# Altium PCB Rpi Head.pcbdoc (continued)
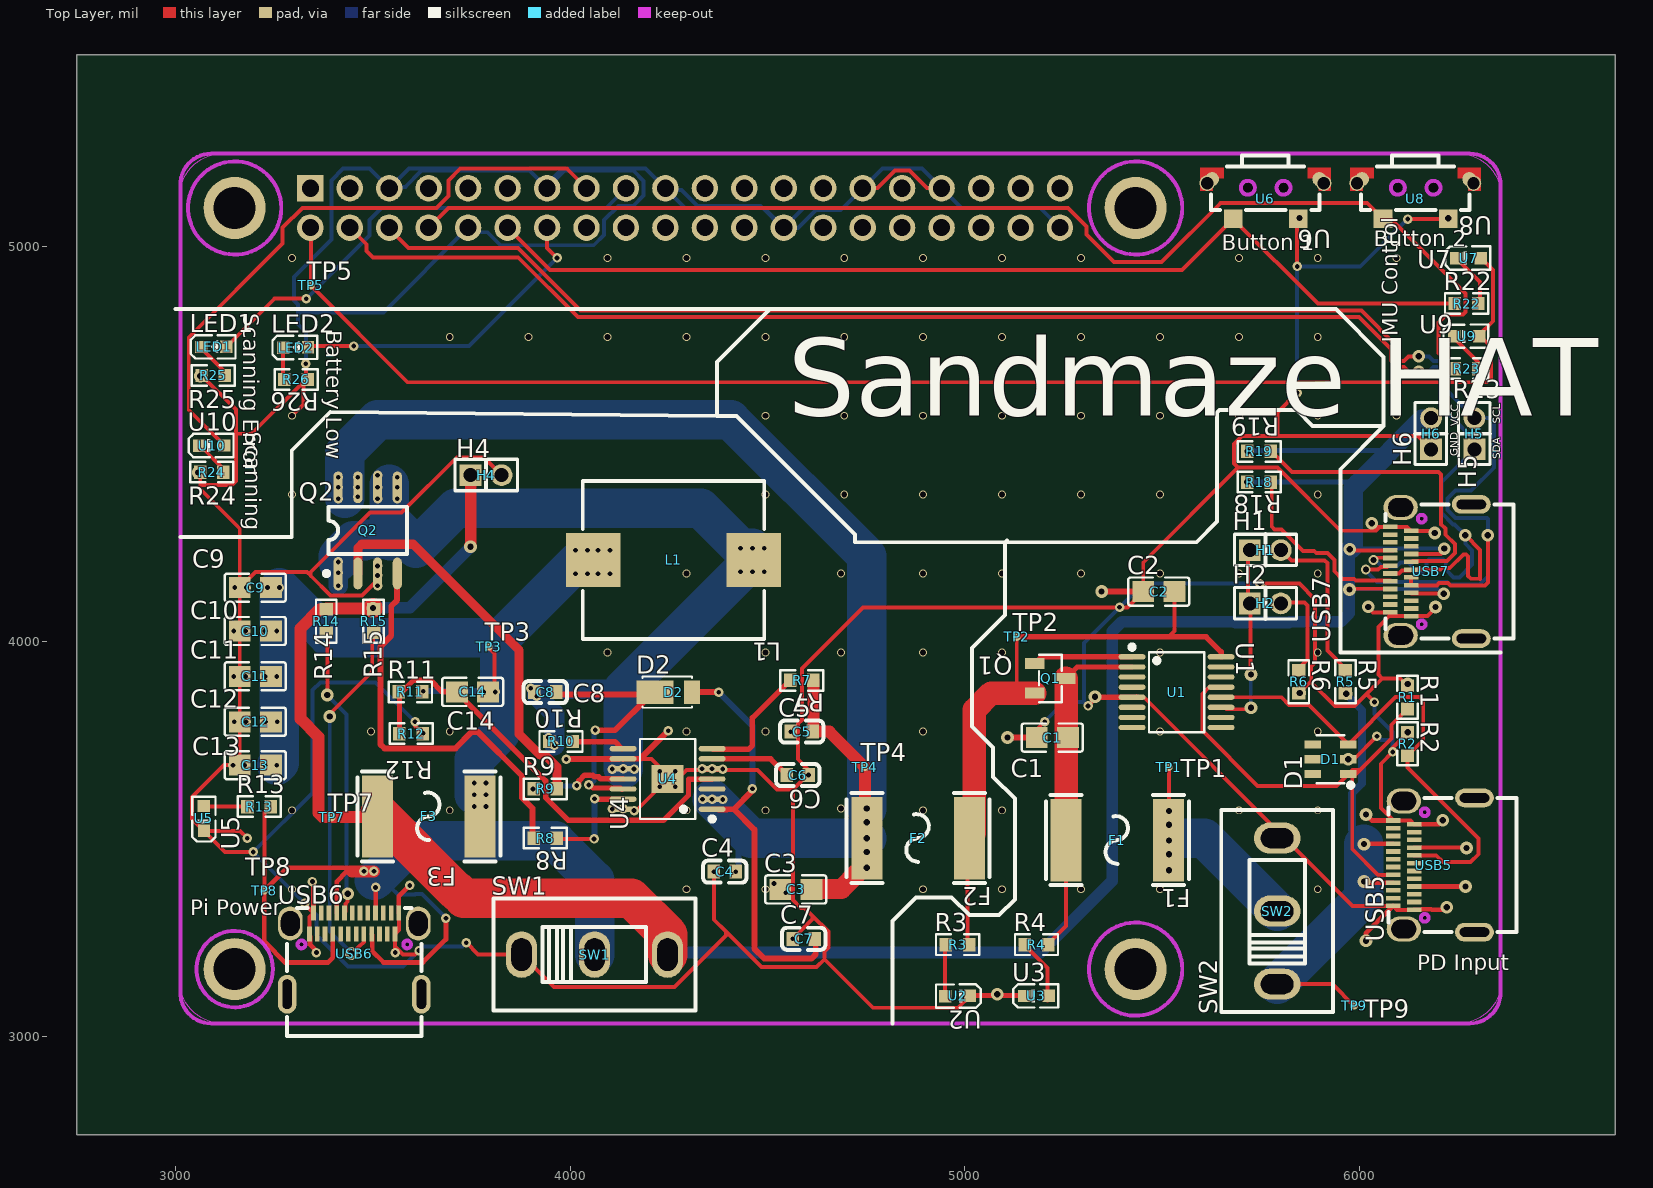
[diagram p0: Top Layer view]
## Footprints (in the part's own frame and the unit in brackets; to place one, negate y for a bottom-side part, rotate by r counter-clockwise, add the part's x,y. Pads: shape width x height; smd on the part's side, far side on the other; paste and mask are expansions set on the pad) (continued)
  rect 0.3x0.95 smd: A1(-2.63,2.613) A2(-2.13,2.613) A3(-1.63,2.613) A4(-1.13,2.613) A5(-0.63,2.613) A6(-0.13,2.613) A7(0.37,2.613) A8(0.87,2.613) A9(1.37,2.613) A10(1.87,2.613) A11(2.37,2.613) A12(2.87,2.613) B1(2.62,1.262) B2(2.12,1.262) B3(1.62,1.262) B4(1.12,1.262) B5(0.62,1.262) B6(0.12,1.262) B7(-0.38,1.262) B8(-0.88,1.262) B9(-1.38,1.262) B10(-1.88,1.262) B11(-2.38,1.262) B12(-2.88,1.262)
  Board Outline Layer circle w0.005: c3.4,0.587 r0.25
  Board Outline Layer circle w0.005: c-3.4,0.587 r0.25
  Board Outline Layer circle w0.254: c3.4,0.587 r0.25
  Board Outline Layer circle w0.254: c-3.4,0.587 r0.25
  Multi-Layer board cut-out: 3.65,0.587 3.615,0.71 3.524,0.8 3.4,0.833 3.276,0.8 3.185,0.71 3.15,0.587 3.15,0.587 3.185,0.464 3.276,0.375 3.4,0.342 3.524,0.375 3.615,0.464 3.65,0.587
  Multi-Layer board cut-out: -3.15,0.587 -3.185,0.71 -3.276,0.8 -3.4,0.833 -3.523,0.8 -3.615,0.71 -3.65,0.587 -3.65,0.587 -3.615,0.464 -3.523,0.375 -3.4,0.342 -3.276,0.375 -3.185,0.464 -3.15,0.587
  silkscreen extent -4.32,-5.31 4.32,2.92

## Free pads (board coordinates)
  round 157.48 hole 106.3 unplated: 1(3149.7,3169.78) 1(3149.7,5098.92) 1(5433.16,3169.78) 1(5433.17,5098.92)

## Via types
v1: diameter 24, hole 12, Top Layer to Bottom Layer, 127 vias
v2: diameter 20, hole 15, Top Layer to Bottom Layer, 80 vias
v3: diameter 32, hole 16, Top Layer to Bottom Layer, 53 vias
v4: diameter 25, hole 15, Top Layer to Bottom Layer, 2 vias

## Nets (pads, with @x,y where several pads share a name; then routed paths per layer and width w, separated by ;. In a path a pad name is that pad's centre, name@x,y a point inside that pad or via, vN(x,y) a via of type N, cw(c..) or ccw(c..) an arc to the next point about the centre after c; other vN are vias at no path point)
$1N1077: C1.2 F1.2 Q1.3 R4.2 U1.2 | length 802.4
  Top Layer w10: R4.2@5210.76,3233.42 5256.89,3279.56 F1.2@5256.89,3426.6
  Top Layer w13.5: Q1.3 5285.25,3935.69 U1.2
  Top Layer w60: Q1.3 5256.99,3906 F1.2
$1N1475: Q1.1 U1.1 | length 253.7
  Top Layer w13.5: Q1.1 5194.7,3961.28 U1.1
$1N1481: C2.2 F2.1 Q1.2 R3.2 TP2.1 U1.16 | length 1527.9
  Top Layer w10: F2.1@5007.49,3443.18 5007.49,3229.1 R3.2@5008.93,3227.66 ; TP2.1 5131.9,3871.11 5133.7,3869.31 ; 5516.9,4011.71 5531.9,4026.71 5531.9,4126.08 C2.2
  Top Layer w13.8: TP2.1 5516.9,4011.71 5611.9,4011.71 5649.73,3973.89 U1.16
  Top Layer w60: F2.1 5024.48,3514.37 5024.48,3826.89 5066.9,3869.31 5133.7,3869.31 Q1.2
$1N1809: R3.1 U2.2 | length 125.3
  Top Layer w10: R3.1@4944.78,3224.05 4949.82,3219.01 U2.2@4949.82,3100.79
$1N1939: R4.1 U3.2 | length 163.7
  Top Layer w10: R4.1@5151.65,3230.54 5209.32,3172.88 U3.2@5209.32,3090.7
$1N2061: H1.2 R5.1 | length 413
  Top Layer w10: H1.2@5805.68,4228.03 5827.8,4205.91 5912.14,4205.91 5919.21,4198.84 5919.21,3977.19 R5.1@5965.7,3930.69
$1N2124: H2.2 R6.1 | length 240.5
  Top Layer w10: H2.2@5801.36,4096.12 5804.1,4098.87 5861.32,4098.87 5868.39,4091.8 5868.39,3954.48 R6.1@5845.69,3931.78
$1N2918: R7.2 U4.7 | length 311.5
  Top Layer w13.8: U4.7 4361.5,3726.71 4451.9,3726.71 4461.9,3736.71 4461.9,3806.37 R7.2
$1N3044: C6.2 U4.6 | length 206.7
  Top Layer w13.8: U4.6 4508.16,3702.89 C6.2
$1N3263: R8.1 U4.13 | length 268.7
  Top Layer w10: R8.1@3969.83,3499.09 v1@4061.13,3499.09
  Top Layer w13.5: v1@4060.12,3599.97 4096.09,3599.97 4096.65,3600.53 4130.59,3600.53 U4.13@4132.2,3602.14
  Bottom Layer w15: v1@4060.17,3497.81 4061.77,3499.41 v1(4061.81,3601.57)
  other v1: 4060.6,3499.84
$1N3267: R9.1 U4.11 | length 250.5
  Top Layer w13.8: v1(4016.92,3635.08) 4022.02,3640.18 4022.02,3646.95 4036.61,3661.53 4057.24,3661.53 4061.83,3656.94 4072.01,3656.94 4077.13,3651.81 4117.22,3651.81 4117.63,3652.22 U4.11@4134.71,3652.22
  Bottom Layer w13.5: v1@3907,3627.63 3913.25,3633.87 v1@4018,3633.87
  other v1: 3905.92,3626.3
$1N3287: C8.2 D2.1 U4.12 | length 659.5
  Top Layer w13.5: v1(4046.92,3636.63) 4050.2,3636.63 4057.82,3629.01 4127.48,3629.01 U4.12@4131.18,3625.31
  Top Layer w15: C8.2@3967.43,3871.75 3973.19,3865.98 D2.1@4216.83,3865.98 ; v1@4060.41,3775.16 4113.75,3775.16 D2.1@4200.25,3861.66
  Bottom Layer w13.5: v1@4047.8,3634.83 4060.29,3647.33 v1@4060.29,3772.75
  other v1: 4063.61,3775.56
$1N3513: R10.1 U4.8 | length 131.5
  Top Layer w13.5: R10.1@4007.43,3746.32 4113.15,3746.32 U4.8@4131.41,3728.06
$1N3658: C9.2 C10.2 C11.2 C12.2 C13.2 C14.2 F3.1 L1.2 R11.2 TP3.1 | length 2104.3
  Top Layer w10: TP3.1@3792.65,3984.46 3807.82,3969.29 C14.2@3807.82,3872.29
  Bottom Layer w15: v1(3627.5,3874.36) v1@3780.31,3874.36
  Bottom Layer w100: v1(3256.56,3686.71) 3263.05,3693.2 v1(3263.05,4136.71) 3389.9,4009.87 3821.9,4009.87 3821.9,4006.39 ; v1(3756.9,3611.71) v1(3756.9,3641.71) 3756.9,3701.71 3821.9,3766.71 3821.9,3874.36 3821.9,4006.39 ; 3816.2,4000.68 3821.9,4006.39 ; 4076.36,4202.71 4018.23,4202.71 3821.9,4006.39
  other v1: 3756.9,3581.71 3786.9,3581.71 3786.9,3611.71 3786.9,3641.71 3226.56,3686.71 3227.65,3796.71 3257.65,3796.71 3780.11,3872.34 3810.11,3872.34 3226.56,3911.71 3256.56,3911.71 3226.56,4026.52 3256.56,4026.52 3233.05,4136.71 4013.75,4171.71 4043.75,4171.71 4070.69,4171.71 4100.69,4171.71 4013.75,4231.71 4043.75,4231.71 4070.69,4231.71 4100.69,4231.71
$1N6622: R13.2 SW1.2 TP8.1 USB6.A4 USB6.A9 USB6.B4 USB6.B9 | length 2452.5
  Top Layer w10: TP8.1@3225.83,3369.84 3225.83,3568.06 R13.2@3239.52,3581.76
  Top Layer w11.8: USB6.B9 3398.52,3198.33 3386.9,3186.71 3276.9,3186.71 3252.53,3211.09 3252.53,3212.38 3224.69,3240.22 TP8.1 3225.83,3369.84 3282.71,3426.71 3446.9,3426.71 ; USB6.A4 3408.37,3391.71 3434.21,3417.56 ; USB6.B4 3498.82,3256.98 3498.82,3214.79 3526.9,3186.71 3626.9,3186.71 3685.15,3244.96 v1(3685.15,3299) ; USB6.A9 3506.9,3312.13 v1(3506.9,3376.71)
  Top Layer w30: 3446.9,3417.56 v1(3477.22,3417.56) v1(3502.75,3417.56)
  Bottom Layer w10: v1(3506.9,3376.71) 3545.35,3376.71 3563.35,3358.71 3606.43,3358.71 3607.44,3359.72 3624.43,3359.72 v1(3685.15,3299)
  Bottom Layer w100: 3503.82,3394.8 3603.82,3494.8 3961.9,3494.8 4061.9,3394.8 SW1.2
$1N7172: H3.2 TP5.1 U7.2 U9.2 | length 3591
  Top Layer w10: H3.2 3342.84,5047.52 TP5.1 3588.04,4657.23 6323.76,4657.23 6333.76,4667.23 6333.76,4747.23 U9.2@6303.76,4777.23 ; U9.2 U9.2@6303.76,4777.23 ; U7.2 6338.38,4941.85 6338.38,4811.85 U9.2@6303.76,4777.23
$1N7178: H3.12 R22.1 U6.2 | length 2588.1
  Top Layer w10: H3.12 3948.84,4941.51 5550.22,4941.51 U6.2 5895.01,4856.71 R22.1
$1N7242: R22.2 U7.1 | length 147.5
  Top Layer w10: U7.1@6240.47,4977.32 6306.07,4911.73 R22.2@6306.07,4856.95
$1N8697: F1.1 SW2.2 TP1.1 | length 448
  Top Layer w10: TP1.1 5517.86,3680.76 v3(5517.86,3570.76)
  Bottom Layer w100: v3@5531.9,3501.71 5606.9,3501.71 SW2.2
  other v3: 5517.86,3420.76 5517.86,3460.76 5517.78,3495.76 5517.86,3535.76
$1N21507: H3.8 R23.1 U8.2 | length 3135.1
  Top Layer w10: H3.8 3691.43,5098.92 5261.43,5098.92 5308.84,5051.51 5308.84,5031.51 5378.84,4961.51 5498.84,4961.51 5648.84,5111.51 6020.22,5111.51 U8.2 6080.22,5071.51 6269.12,4882.61 ; R23.1@6243.12,4689.48 6201.31,4731.29 6201.31,4808.65 6221.36,4828.71 6262.68,4828.71 6269.12,4835.15 6269.12,4878.28 6268.59,4878.81 6268.59,4880.73
$1N21508: R23.2 U9.1 | length 101.1
  Top Layer w10: U9.1@6241.68,4768.29 6301.26,4708.7 R23.2@6301.26,4691.88
$1N21613: R13.1 U5.2 | length 110.6
  Top Layer w10: U5.2@3069.89,3583.68 3071.33,3582.24 R13.1@3179.94,3582.24
$1N43969: R24.2 U10.1 | length 97
  Top Layer w10: U10.1@3061.25,4497.57 3128.28,4430.53 R24.2@3128.28,4428.37
$1N44038: LED1.1 R25.2 | length 100.7
  Top Layer w10: LED1.1@3063.41,4745.17 3131.52,4677.05 R25.2@3131.52,4672.73
$1N44121: H3.15 U10.2 | length 1564.2
  Top Layer w10: U10.2 3033.38,4586.85 3033.38,4770.87 3271.43,5008.92 3271.43,5048.92 3321.43,5098.92 3661.43,5098.92 3691.43,5128.92 3691.43,5168.92 3721.43,5198.92 3991.43,5198.92 H3.15
$1N44165: H3.17 LED1.2 | length 1203
  Top Layer w10: LED1.2 3250.45,4868.92 v1(3331.43,4868.92)
  Bottom Layer w10: v1(3331.43,4868.92) 3491.43,5028.92 3491.43,5068.92 3521.43,5098.92 4091.43,5098.92 H3.17
$1N47954: H3.14 LED2.2 | length 812.3
  Top Layer w10: LED2.2 3339.12,4748.92 v1(3451.43,4748.92) ; H3.14 3941.43,4997.52 v1(3966.77,4972.18)
  Bottom Layer w10: v1(3451.43,4748.92) 3743.5,4748.92 v1(3966.77,4972.18)
$1N47957: LED2.1 R26.2 | length 82.2
  Top Layer w10: LED2.1 3272.63,4667.52 R26.2
CC1: D1.1 R1.2 U1.13 USB5.A5 | length 1166
  Top Layer w10: U1.13 5619.73,3884.5 5602.14,3866.92 5602.14,3774.31 5742.14,3634.31 5942.14,3634.31 D1.1 5982.14,3674.31 6002.14,3674.31 ; USB5.A5 6047.69,3408.76 5982.14,3474.31 5982.14,3654.31 6002.14,3674.31 ; R1.2 6082.14,3789.11 6082.14,3754.31 6002.14,3674.31
CC1_OUT: R14.1 USB6.A5 | length 725.5
  Top Layer w10: v3@3382.39,3866.85 3384.55,3869.02 R14.1@3384.55,4021.11 ; USB6.A5@3428.56,3313.99 3430.83,3316.26 3430.83,3335.27 3436.23,3340.66 v3(3436.23,3360.57)
  Bottom Layer w10: v3(3384.19,3864.69) 3433.2,3815.68 v3@3433.2,3364.45
CC2: D1.3 R2.2 U1.12 USB5.B5 | length 1273.2
  Top Layer w10: U1.12 5802.34,3858.91 5822.14,3839.11 5872.14,3839.11 D1.3 6092.14,3859.11 6152.14,3859.11 6162.14,3849.11 6162.14,3750.99 R2.2 6122.14,3680.99 6302.14,3500.99 6302.14,3460.99 6282.14,3440.99 6212.14,3440.99 6195.16,3457.97 USB5.B5
CC2_OUT: R15.1 USB6.B5 | length 935.2
  Top Layer w10: v3@3385.27,3810.63 3498.47,3923.82 3498.47,3995.63 3500.6,3997.77 R15.1@3500.6,4011.74 ; v3@3445.86,3207.31 3467.71,3229.16 3468.04,3229.16 3477.57,3238.69 USB6.B5@3477.57,3258.57
  Bottom Layer w10: v3(3390.68,3809.91) 3390.68,3265.69 v3@3445.46,3210.91
  other v3: 3445.54,3209.23
FB: C14.1 R11.1 R12.2 U4.4 | length 1150.4
  Top Layer w13.5: R12.2@3567.31,3767.62 3567.31,3872.49 3574.07,3872.49 3603.67,3902.09 3645.99,3902.09 3675.59,3872.49 C14.1@3711.11,3872.49 ; C14.1@3710.03,3873.57 C14.1@3711.11,3872.49 ; C14.1@3711.65,3871.95 3927.13,3656.47 3928.4,3656.47 3937.94,3646.93 3937.94,3604.42 3995.4,3546.96 4236.66,3546.96 4300.1,3610.41 4300.1,3651.32 U4.4@4359.54,3651.32 ; C14.1@3712.19,3872.49 C14.1@3711.11,3872.49
GND: C1.1 C2.1 C3.1 C4.1 C5.1 C6.1 C7.1 C9.1 C10.1 C11.1 C12.1 C13.1 D1.2 H3.5 H3.10 H3.13 H3.19 H3.26 H3.29 H3.33 H3.40 H4.2 H6.1 Q2.3 R1.1 R2.1 R6.2 R12.1 R24.1 R25.1 R26.1 SW1.1 SW2.3 U1.5 U2.1 U3.1 U4.5 U4.9 U4.14 U4.15 U5.1 U6.1 U8.1 USB5.A1 USB5.A12 USB5.B1 USB5.B12 USB6.A1 USB6.A12 USB6.B1 USB6.B12 USB7.A1 USB7.A12 USB7.B1 USB7.B12 | length 22185.4
  Top Layer w10: R24.1 3062.53,4428.81 3062.53,4396.71 ; R25.1 3152.53,4587.62 3152.53,4526.71 ; v1(3181.9,3501.71) 3163.38,3520.24 U5.1 ; v1(3196.86,3466.71) 3125.56,3466.71 U5.1 ; v2@3294.42,4571.08 3324.13,4600.8 R26.1@3324.13,4650.54 ; R26.1@3320.24,4654.42 3192.53,4526.71 3152.53,4526.71 ; v1(3326.86,3336.71) 3326.86,3334.45 USB6.A1 3339.47,3302.17 USB6.B12 ; v1(3330.07,4704.25) 3330.07,4664.25 R26.1 ; Q2.3 3511.9,4156.08 3472.53,4116.71 3392.53,4116.71 3342.53,4166.71 ; v1(3556.9,3211.71) 3556,3212.62 3556,3227.58 ; USB6.A12 3565.85,3268.71 USB6.B1 3556,3227.58 ; v1(3606.86,3796.71) 3606.86,3786.41 R12.1 ; v1(3616.86,3216.71) 3606.86,3206.71 3576.86,3206.71 3556,3227.58 ; v1(3736.86,3236.71) 3766.86,3206.71 SW1.1 3958.79,3124.78 4264.46,3124.78 4394.46,3254.78 4394.46,3264.78 ; H4.2 3781.27,4466.71 3712.53,4466.71 3572.53,4326.71 3492.53,4326.71 3342.53,4176.71 3342.53,4166.71 ; U4.14 4170.13,3574.94 v1(4227.22,3632.03) U4.15 4249.97,3654.78 U4.15@4254.46,3654.78 ; 4178.03,3702.89 4206.35,3702.89 U4.15@4254.46,3654.78 ; v1(4359.73,3677.3) U4.5@4354.46,3674.78 ; v1(4364.34,3416.71) 4364.34,3294.9 4394.46,3264.78 ; C3.1 4535.6,3374.78 4564.46,3374.78 ; v1(4559.34,3771.71) 4577.53,3771.71 ; v1(4564.34,3246.71) 4614.46,3296.83 4614.46,3304.78 ; C6.1 C6.1@4604.46,3664.78 ; H3.29@4739.38,5145.99 4742.63,5149.24 4778.87,5149.24 4823.01,5193.38 4859.85,5193.38 4904,5149.24 H3.33@4943.73,5149.24 ; U2.1@5010.37,3103.68 5141.56,3103.68 U3.1@5143.39,3101.85 ; U3.1@5143.72,3101.51 U3.1@5143.39,3101.85 ; U3.1@5150.16,3101.85 U3.1@5143.39,3101.85 ; C1.1 5182.53,3776.71 v1(5202.53,3796.71) ; v1(5312.53,3836.71) 5334.61,3858.79 v3@5334.73,3858.91 ; v3@5344.45,4129.17 v3(5346.9,4126.71) ; U1.5 5435.07,3858.91 5454.08,3858.91 SW2.3@5804.08,3508.91 ; v1(5748.31,4146.71) 5848.31,4146.71 5888.31,4106.71 5888.31,3946.71 5878.31,3936.71 5878.31,3900.23 ; SW2.3 5799.06,3508.91 SW2.3@5804.08,3508.91 ; v1(5842.53,4630.81) 5792.53,4580.81 5792.53,4520.81 ; v1(5842.53,4950.81) 5842.53,5068.48 U6.1 ; R6.2 5878.31,3900.23 ; v3(5972.05,3701.69) 5986.11,3701.71 v1(6044.71,3760.31) ; v3@6019.9,4088.44 6034.63,4073.7 USB7.A1@6076.28,4073.7 ; v3@6030.79,4300.84 6041.68,4289.95 6051.67,4289.95 ; v1(6038.31,3846.71) 6018.31,3866.71 ; USB7.A1 6078.31,4066.71 ; USB7.A12 USB7.A12@6082.53,4290.81 ; R2.1 6122.14,3767.74 6084.71,3730.31 v1(6084.71,3720.31) 6054.71,3690.31 6054.71,3578.07 USB5.A12 6129.52,3546.56 USB5.B1 ; R1.1 6103.85,3906.71 6058.31,3906.71 ; v1(6122.53,5070.81) 6224.86,5070.81 U8.1 ; USB7.B12 6080.74,4064.28 6078.31,4066.71 ; USB7.B1 6121.49,4290.81 USB7.A12@6082.53,4290.81 ; USB7.B12@6132.67,4064.41 6149.2,4064.41 6149.44,4064.65 6166.7,4064.65 6166.94,4064.41 6172.71,4064.41 v3@6193.53,4085.24 ; USB7.B1@6133.95,4280.34 6185.2,4280.34 v3@6191.29,4274.25 ; USB5.B12 6096.06,3320.18 USB5.A1 5982.97,3330.02 SW2.3@5804.08,3508.91 ; H6.1 6148.44,4520.81 5792.53,4520.81 ; 3062.53,4396.71 3142.53,4396.71 3152.53,4406.71 3152.53,4526.71 ; 3062.53,4396.71 3062.53,4386.71 3162.53,4286.71 C9.1 ; U5.1 3042.04,3550.24 3042.04,3606.22 3122.53,3686.71 v1(3145.29,3686.71) C13.1 C12.1 C11.1 C10.1 C9.1 ; C9.1 3202.53,4176.71 3332.53,4176.71 3342.53,4166.71 ; U4.15@4254.46,3654.78 4274.46,3654.78 4294.46,3674.78 U4.5@4354.46,3674.78 ; U4.5@4354.46,3674.78 4474.46,3674.78 4524.46,3624.78 4564.46,3624.78 ; 4394.46,3264.78 4484.46,3174.78 4624.46,3174.78 4644.46,3194.78 ; 4564.46,3374.78 4564.46,3624.78 ; 4564.46,3374.78 4564.46,3344.78 4584.46,3324.78 4594.46,3324.78 4614.46,3304.78 ; 4564.46,3624.78 C6.1@4604.46,3664.78 ; 4577.53,3771.71 4577.53,3791.71 4587.53,3801.71 4587.53,3931.71 4742.53,4086.71 v1(5392.53,4086.71) 5412.53,4086.71 C2.1 5452.53,4200.81 5692.53,4440.81 ; 4577.53,3771.71 4577.53,3701.71 4604.46,3674.78 C6.1@4604.46,3664.78 ; 4614.46,3304.78 4654.46,3264.78 4654.46,3224.78 4644.46,3214.78 4644.46,3194.78 ; 4644.46,3194.78 4767.4,3071.85 4983.38,3071.85 U2.1 U3.1@5143.39,3101.85 ; 5692.53,4440.81 5792.53,4440.81 5952.53,4280.81 6042.53,4280.81 6051.67,4289.95 ; 5692.53,4440.81 5682.53,4450.81 5682.53,4500.81 5702.53,4520.81 5792.53,4520.81 ; 5878.31,3900.23 5878.31,3896.71 5938.31,3836.71 5988.31,3836.71 6018.31,3866.71 ; 6018.31,3866.71 6058.31,3906.71 ; 6051.67,4289.95 USB7.A12@6078.52,4290.81 ; 6051.67,4289.95 6052.53,4290.81 USB7.A12@6078.52,4290.81 ; 6058.31,3906.71 6048.31,3916.71 6048.31,4036.71 6078.31,4066.71 ; USB7.A12@6078.52,4290.81 USB7.A12@6082.53,4290.81
  Top Layer w11.8: USB6.B12 3339.47,3254.41 3340.74,3253.13 3340.74,3232.1 3351.9,3220.94 3351.9,3216.71 v1(3356.9,3211.71) ; v1(3346.9,3391.71) 3349.31,3389.31 USB6.A1 ; USB6.A12 3565.85,3354.25 v1(3593.56,3381.96) ; v3(5972.05,3701.69) D1.2@5973.59,3703.16 ; v3(6016.9,3241.71) 6016.9,3260.71 USB5.A1 ; v3(6016.9,3561.71) 6032.05,3546.56 USB5.A12 ; USB5.B12 6155.67,3320.18 6156.94,3321.46 6182.16,3321.46 6183.43,3320.18 6215.38,3320.18 v3(6221.9,3326.71) ; USB5.B1 6201.91,3536.71 v3(6211.9,3546.71)
  Top Layer w13.8: U4.9@4133.39,3702.2 U4.9
  Top Layer w15: v1(3990.08,3701.66) 3991.05,3702.63 U4.9@4123.34,3702.63 ; U4.9 4178.03,3702.89 v1(4248.87,3773.73)
  Top Layer w15.2: v3@5333.83,3858.79 5334.61,3858.79 U1.5@5435.07,3858.91
  Top Layer w16: v3(5108.47,3756.71) C1.1 ; v3(5346.9,4126.71) C2.1
  Inner1 w10: v3@3056.56,4425.49 3141.62,4425.49 ; v3@3062.33,4674.89 3141.62,4674.89 ; v3@5078.85,3100.79 5078.85,3208.2
  Bottom Layer w10: v1(3330.07,4704.25) 3330.07,4784.25 3310.07,4804.25 3310.07,4834.25 ; H3.5@3538.69,5152.48 H3.5@3544.99,5152.48 ; v1(3606.86,3796.71) 3506.86,3896.71 3366.86,3896.71 3346.86,3876.71 3346.86,3616.71 v1(3196.86,3466.71) v1(3326.86,3336.71) 3356.86,3306.71 3356.86,3256.71 3436.86,3176.71 3576.86,3176.71 v1(3616.86,3216.71) 3626.86,3226.71 3726.86,3226.71 v1(3736.86,3236.71) ; H3.10 3526.76,4834.25 3310.07,4834.25 ; H3.10@3744.66,5037.33 3790.14,5037.33 3823.01,5004.45 4059.85,5004.45 4085.9,5030.5 4085.9,5067.93 4122.42,5104.45 4159.85,5104.45 4185.9,5130.5 4185.9,5167.34 4159.85,5193.38 3985.9,5193.38 ; H3.13@3940.9,5158.97 3975.32,5193.38 3985.9,5193.38 ; H3.19@4243.1,5144.91 H3.19@4245.44,5144.91 ; H3.26@4538.27,5048.68 4488.04,5098.92 ; H3.26@4551.25,5047.6 4577.23,5047.6 4623.01,5093.38 4685.69,5093.38 4691.23,5098.92 ; v1(5202.53,3796.71) 5252.53,3846.71 5302.53,3846.71 ; H3.40 5191.43,5098.92 4991.43,5098.92 H3.33 4891.43,5198.92 4791.43,5198.92 H3.29@4743.81,5151.3 ; v1(5312.53,3836.71) 5302.53,3846.71 ; v1(5748.31,4146.71) 5452.53,4146.71 v1(5392.53,4086.71) 5302.53,3996.71 5302.53,3846.71 ; v1(5842.53,4630.81) v1(5842.53,4950.81) 6002.53,4950.81 v1(6122.53,5070.81) ; v1(6038.31,3846.71) 6038.31,3816.71 6084.71,3770.31 6084.71,3750.31 ; v1(6044.71,3760.31) 6054.71,3750.31 6084.71,3750.31 ; v1(6084.71,3720.31) 6084.71,3750.31 ; 3310.07,4834.25 3310.07,4854.25 3300.07,4864.25 3300.07,4924.25 3394.74,5018.92 3394.74,5168.92 3424.74,5198.92 3491.43,5198.92 H3.5 H3.5@3544.99,5152.48 ; H3.5@3544.99,5152.48 3582.11,5152.48 3623.01,5193.38 3896.97,5193.38 ; H3.5@3544.99,5152.48 3591.43,5198.92 3891.43,5198.92 3896.97,5193.38 ; 3896.97,5193.38 3898.38,5193.38 H3.13@3940.2,5150.15 ; 3896.97,5193.38 H3.13@3940.2,5150.15 ; H3.13@3940.2,5150.15 H3.13 3985.9,5193.38 ; 3985.9,5193.38 3991.43,5198.92 4191.43,5198.92 H3.19 H3.19@4245.44,5144.91 ; H3.19@4245.44,5144.91 4282.56,5144.91 4323.01,5104.45 4482.5,5104.45 4488.04,5098.92 ; H3.19@4245.44,5144.91 4291.43,5098.92 4488.04,5098.92 ; 4488.04,5098.92 4491.43,5098.92 H3.26 4591.43,5098.92 4691.23,5098.92 ; 4691.23,5098.92 H3.29@4743.81,5151.3 ; 4691.23,5098.92 4691.43,5098.92 H3.29 H3.29@4743.81,5151.3
  other v1: 4546.6,3363.05 4516.9,3386.71 4161.9,3571.71 4106.9,3575.78 4134.08,3575.78 4266.59,3632.03 4604.34,3661.71 4227.22,3671.4 4266.59,3671.4 4334.44,3677.3 4386.9,3676.71 3175.29,3686.71 3627.74,3767.68 3148.54,3796.71 3178.54,3796.71 3147.46,3911.71 3177.46,3911.71 3147.46,4026.71 3177.46,4026.71 3149.7,4136.71 3179.7,4136.71 3511.9,4141.71 3511.9,4167.56 3511.9,4191.71
  other v2: 3294.76,3372.32 4294.76,3372.32 4494.76,3372.32 4894.76,3372.32 5094.76,3372.32 5294.76,3372.32 5494.76,3372.32 5894.76,3372.32 3294.76,3572.32 3694.76,3572.32 4294.76,3572.32 4494.76,3572.32 4894.76,3572.32 5094.76,3572.32 5694.76,3572.32 5894.76,3572.32 4685.99,3577.16 3494.76,3772.32 3694.76,3772.32 4294.76,3772.32 4494.76,3772.32 4894.76,3772.32 5494.76,3772.32 5894.76,3772.32 4094.76,3972.32 4494.76,3972.32 4685.99,3971.83 4894.76,3972.32 5094.76,3972.32 5494.76,3972.32 5894.76,3972.32 4294.76,4172.32 4894.76,4172.32 5094.76,4172.32 5294.76,4172.32 5494.76,4172.32 5694.76,4172.32 5894.76,4172.32 4685.99,4172.8 3294.76,4372.32 4494.76,4372.32 4694.76,4372.32 4894.76,4372.32 5094.76,4372.32 5294.76,4372.32 5494.76,4372.32 5894.76,4372.32 3294.76,4572.32 4494.76,4572.32 4694.76,4572.32 4894.76,4572.32 5094.76,4572.32 5294.76,4572.32 5494.76,4572.32 5694.76,4572.32 5894.76,4572.32 6094.76,4572.32 3694.76,4772.32 3894.76,4772.32 4094.76,4772.32 4294.76,4772.32 4494.76,4772.32 4694.76,4772.32 4894.76,4772.32 5094.76,4772.32 5294.76,4772.32 5494.76,4772.32 5694.76,4772.32 5894.76,4772.32 3294.76,4972.32 4094.76,4972.32 4294.76,4972.32 4494.76,4972.32 4694.76,4972.32 4894.76,4972.32 5094.76,4972.32 5294.76,4972.32 5694.76,4972.32 5894.76,4972.32 6094.76,4972.32
  other v3: 5082.45,3105.84 6122.96,3770.52 5330.31,3860.39 5849.11,3869.48 6122.96,3892.34 6193.21,4087.48 6022.46,4087.8 6191.29,4275.21 6031.43,4299.88 3057.04,4428.61 3062.45,4672.97 6225.78,5072.57 5848.43,5073.65
HG: Q2.2 R9.2 | length 986.9
  Top Layer w23.2: Q2.2 3461.9,4236.71 3471.9,4246.71 3601.9,4246.71 3870.7,3977.92 3870.7,3765.49 3924.08,3712.11 3936.51,3712.11 3966.9,3681.71 3966.9,3627.05 R9.2
IMU_CC1: R18.1 USB7.A5 | length 483.1
  Top Layer w10: R18.1@5780.9,4399.37 5778.16,4396.63 5778.16,4291.11 5785.23,4284.04 5803.25,4284.04 5817.02,4270.27 5817.25,4270.27 5839.83,4247.69 5839.83,4247.46 5857.31,4229.98 5885.42,4229.98 5891.49,4223.91 5919.59,4223.91 5937.21,4206.29 5937.21,4178.19 5956.55,4158.85 5986.55,4158.85 5991.1,4154.3 USB7.A5@6078.6,4154.3
IMU_CC2: R19.1 USB7.B5 | length 782.3
  Top Layer w10: R19.1@5779.28,4480.59 5829.87,4430 6200.37,4430 6207.44,4422.93 6207.44,4297.24 6218.29,4286.39 6218.29,4270.7 6242.16,4246.83 6242.16,4224.46 6221.89,4204.19 6135.75,4204.19 USB7.B5@6133.92,4202.36
IMU_SCL: H3.6 H5.2 USB7.A7 USB7.B7 USB7.B8 | length 4352.6
  Top Layer w10: H3.6 3540.2,5047.69 3540.2,5046.72 3590,4996.92 3867.98,4996.92 4026.18,4838.71 6005.62,4838.71 6096.11,4748.22 6096.11,4718.55 6103.18,4711.48 6113.18,4711.48 6124.43,4722.73 v3(6150.43,4722.73) ; v4(6016.56,4182.28) 6047.91,4182.28 6055.08,4189.45 6070.19,4189.45 USB7.A7@6070.57,4189.84 ; USB7.B8@6130.65,4141.83 6131.13,4142.31 6196.56,4142.31 6202.53,4148.28 6224.9,4148.28 6230.87,4142.31 6319.02,4142.31 6326.01,4149.3 v3(6326.01,4269.06) ; USB7.B8 6131.49,4161.93 USB7.B7@6131.77,4162.21
  Bottom Layer w10: v4@6015.4,4180.63 6044.69,4151.33 6221.85,4151.33 6229.07,4144.11 6305.16,4144.11 6326.01,4164.95 v3(6326.01,4269.06) 6326.01,4311.09 6323.98,4313.12 6244.12,4313.12 6223.84,4333.4 6223.84,4362.08 6244.12,4382.36 6283.41,4382.36 6341.56,4440.51 6341.56,4553.99 6329.46,4566.08 H5.2 6220.76,4637.23 6220.76,4695.04 6204.31,4711.48 6187.69,4711.48 6176.43,4722.73 v3(6150.43,4722.73)
IMU_SDA: H3.4 H5.1 USB7.A6 USB7.A8 USB7.B6 | length 4351.4
  Top Layer w10: H3.4 3483.43,5006.92 3483.43,4990.29 3499.88,4973.85 3868.42,4973.85 4019.55,4822.71 5998.99,4822.71 6080.11,4741.59 6080.11,4711.93 6096.56,4695.48 6113.18,4695.48 6124.43,4684.23 v3(6150.43,4684.23) ; v4(6035.74,4206.86) 6041.24,4212.36 USB7.A8@6072.57,4212.36 ; USB7.A6@6086.17,4172.33 6100.96,4172.33 6108.24,4179.6 6128.71,4179.6 USB7.B6 ; USB7.B6@6132.09,4182.71 6205.65,4182.71 6209.13,4186.19 6229.34,4186.19 6263.65,4220.5 6271.08,4220.5 6275.91,4215.67 6275.91,4166.2 6282.98,4159.13 6305.22,4159.13 6306.04,4158.31 6306.04,4232.27 v3(6268.71,4269.6)
  Bottom Layer w10: v4@6035,4206.48 6041.66,4206.48 6057.99,4190.15 6094.74,4190.15 6104.74,4200.15 6124.86,4200.15 6134.86,4190.15 6134.86,4181.13 6141.93,4174.06 6158.66,4174.06 6169.85,4185.25 6169.85,4200.72 6176.92,4207.79 6212.13,4207.79 6219.2,4200.72 6219.2,4182.46 6239.07,4162.6 6253.48,4162.6 6285.84,4194.95 6285.84,4230.83 6268.71,4247.96 v3(6268.71,4269.6) 6241.2,4297.12 6237.49,4297.12 6207.84,4326.77 6207.84,4403.28 H5.1 6291.9,4510.61 6204.76,4597.76 6204.76,4688.41 6197.69,4695.48 6187.69,4695.48 6176.43,4684.23 v3(6150.43,4684.23)
LG: Q2.4 R8.2 | length 1062.8
  Top Layer w15: Q2.4@3563.81,4184.02 3561.65,4181.86 3561.65,4105.1 3546.65,4090.1 3546.65,4014.82 3518.97,3987.14 3518.97,3739.8 3529.57,3729.19 3709.19,3729.19 3751,3771 3766,3771 3877.87,3659.13 3877.87,3604.11 3904.39,3577.59 R8.2@3904.39,3497.09
SEL: H1.1 H2.1 U1.11 | length 458.4
  Top Layer w10: U1.11@5660.08,3832.3 5663.92,3828.46 v3@5723.99,3828.46 ; H2.1@5717.02,4088.55 5724.47,4081.1 v3@5724.47,3914.96 ; H2.1@5717.02,4099.36 5718.1,4100.45 H1.1@5718.1,4230.19
  Bottom Layer w10: v3@5723.99,3916.88 5724.95,3915.92 v3@5724.95,3832.3
  other v3: 5725.43,3831.91 5725.43,3916.4
SW: C8.1 L1.1 Q2.1 Q2.5 Q2.6 R10.2 U4.10 | length 2476.3
  Bottom Layer w50: v1(3411.9,4141.71) v1(3411.9,4174.17) v1(3411.9,4201.71) ; v1(3960.12,3736.79) 3960.12,3816.89 v1(3915.3,3861.72) 3915.3,3878.89 4134.08,3878.89
  Bottom Layer w100: v1(3411.9,4201.71) 3411.9,4216.71 3450.91,4255.72 3479.74,4255.72 3483.74,4259.71 3540.07,4259.71 3544.07,4255.72 3591.5,4255.72 3609.06,4238.16 ; 3541.9,4398.28 3541.9,4308.87 3609.06,4241.71 3609.06,4238.16 ; 3609.06,4236.71 3609.06,4238.16 ; v1(4134.08,3677.3) 4134.08,3878.89 v1(4431.9,4176.71) 4466.9,4211.71 ; v1(4461.9,4236.71) v1(4431.9,4236.71) 4330.46,4338.16 3710.5,4338.16 3610.5,4238.16 3609.06,4238.16
  other v1: 4106.9,3676.71 4161.9,3676.71 3945.12,3756.79 3900.3,3881.72 4461.9,4176.71 4491.9,4176.71 4491.9,4236.71 3511.9,4361.71 3561.9,4361.71 3511.9,4390.86 3561.9,4390.86 3561.9,4416.71 3511.9,4421.71
VIN_LM3150: C3.2 C4.2 C5.2 F2.2 Q2.7 Q2.8 R7.1 TP4.1 U4.2 | length 3380.5
  Top Layer w30: R7.1 4616.56,3773.81 C5.2 4656.9,3771.71 TP4.1 4746.9,3581.87 v3(4752.06,3576.71)
  Top Layer w50: C3.2@4619.92,3373.04 4687.67,3373.04 F2.2@4729,3414.36
  Bottom Layer w15: v1(4419.46,3416.71) 4426.9,3424.15 4426.9,3496.71
  Bottom Layer w50: v3(4751.99,3501.71) 4751.99,3541.71 v3@4751.99,3576.71
  Bottom Layer w100: 3428.91,4363.72 3428.91,4478.72 3511.9,4561.71 4406.9,4561.71 4751.99,4216.63 v3@4751.99,3576.71 ; v1(4359.73,3600.53) 4458.55,3501.71 v3(4751.99,3501.71)
  other v1: 4386.9,3599.7 4335.66,3600.53 3411.9,4361.71 3461.9,4366.71 3411.9,4390.86 3461.9,4390.86 3411.9,4416.71 3461.9,4416.71
  other v3: 4752.06,3426.71 4752.06,3466.71 4752.06,3541.71
VIN_USB: R5.2 SW2.1 TP9.1 USB5.A4 USB5.A9 USB5.B4 USB5.B9 | length 1499.1
  Top Layer w10: SW2.1 5931.94,3131.67 TP9.1 ; USB5.B4 6270.95,3477.66 v3(6271.9,3476.71)
  Top Layer w11.8: v3(6011.9,3391.71) 6014.53,3389.08 USB5.A4 ; v3(6011.9,3486.71) 6012.7,3487.5 USB5.A9 ; USB5.B9 v3(6269.37,3379.23)
  Bottom Layer w20: v3@5965.46,3868.55 5965.46,3867.83 6007.27,3826.03 6007.27,3640.72 5981.26,3614.7 5981.26,3523.14 6015.2,3489.2 v3@6015.92,3489.2
  Bottom Layer w100: SW2.1 6011.9,3351.67 v3(6011.9,3391.71) v3(6011.9,3486.71)
  other v3: 5966.9,3867.83
VOUT_LM3150: F3.2 H4.1 H6.2 R14.2 R15.2 R18.2 R19.2 SW1.3 TP7.1 USB7.A4 USB7.A9 USB7.B4 USB7.B9 | length 6728.1
  Top Layer w10: v3@5974.89,4132.33 5976.33,4133.77 USB7.A4@6078.2,4133.77 ; v3@5975.37,4235.65 5980.65,4230.36 USB7.A9@6084.93,4230.36 ; USB7.B9@6132.02,4122.24 6212.27,4122.24 v3@6213.72,4120.8 ; USB7.B4@6133.95,4222.19 6206.99,4222.19 v3@6218.52,4233.72
  Top Layer w30: R14.2@3382.69,4084.12 R15.2@3499.46,4084.12 ; R14.2@3384.85,4081.56 3364.69,4081.56 3316.6,4033.47 3316.6,3804.04 3361.78,3758.85 3361.78,3565.67 3371.78,3555.67 F3.2@3482.03,3555.67 ; v3@3745.98,4242.7 3748.14,4244.86 H4.1@3748.14,4413.53
  Top Layer w50: R15.2@3499.46,4084.12 v3(3500.18,4084.84)
  Top Layer w100: F3.2@3517.4,3561.79 3712.19,3367 3713.32,3367 3730.44,3349.87 4154.6,3349.87 4247.58,3256.89 SW1.3@4247.58,3206.43
  Bottom Layer w10: v3@5975.01,4133.33 6198.94,4133.33 v3@6212.4,4119.87 ; v3@5979.39,4235.65 v3@6214.2,4235.65 ; 5996.52,4400.91 5998.17,4399.26
  Bottom Layer w12: v3@5715.61,4484.32 6063.04,4484.32 6068.81,4478.55 ; v3(5716.33,4404.31) 5993.12,4404.31 5996.52,4400.91
  Bottom Layer w30: v3@3501.62,4085.56 3593.89,4085.56 v3@3745.98,4237.65 ; SW1.3@4262.45,3212.3 5192.77,3212.3 5374.01,3393.54 5374.01,4026.05 5398.34,4050.38 5684.06,4050.38 5686.28,4048.16 5821.39,4048.16 5823.61,4050.38 5953,4050.38 5974.22,4071.59 v3@5974.22,4232.44
  Bottom Layer w50: v3@5976.19,4232.44 v3@5979.39,4235.65 ; v3@5984.43,4240.68 5984.43,4388.83 5996.52,4400.91 6158.18,4562.57 H6.2@6179.46,4562.57
  other v3: 6213.72,4121.28 5975.37,4131.85 5975.85,4233.72 6215.16,4235.65 3747.42,4240.53 5717.05,4482.16
VREG: C7.2 D2.2 U4.1 | length 1061.3
  Top Layer w15: D2.2 v1(4376.9,3871.71) ; U4.1 4375.59,3574.94 4376.34,3574.2 4397.47,3574.2 4398.22,3574.94 4415.13,3574.94 ; v1(4461.9,3626.71) 4461.9,3621.71 4415.13,3574.94 ; C7.2 4622.51,3243.67 4622.51,3207.32 4611.9,3196.71 4491.9,3196.71 4466.9,3221.71 4466.9,3523.17 4415.13,3574.94
  Bottom Layer w15: v1(4376.9,3871.71) 4461.9,3786.71 v1(4461.9,3626.71)
pads on no net: D1.4 D1.5 D1.6 H3.1 H3.3 H3.7 H3.9 H3.11 H3.16 H3.18 H3.20 H3.21 H3.22 H3.23 H3.24 H3.25 H3.27 H3.28 H3.30 H3.31 H3.32 H3.34 H3.35 H3.36 H3.37 H3.38 H3.39 U1.3 U1.4 U1.6 U1.7 U1.8 U1.9 U1.10 U1.14 U1.15 U4.3 U6.3 U6.4 U8.3 U8.4 USB5.1 USB5.2 USB5.3 USB5.4 USB5.A2 USB5.A3 USB5.A6 USB5.A7 USB5.A8 USB5.A10 USB5.A11 USB5.B2 USB5.B3 USB5.B6 USB5.B7 USB5.B8 USB5.B10 USB5.B11 USB6.1 USB6.2 USB6.3 USB6.4 USB6.A2 USB6.A3 USB6.A6 USB6.A7 USB6.A8 USB6.A10 USB6.A11 USB6.B2 USB6.B3 USB6.B6 USB6.B7 USB6.B8 USB6.B10 USB6.B11 USB7.1 USB7.2 USB7.3 USB7.4 USB7.A2 USB7.A3 USB7.A10 USB7.A11 USB7.B2 USB7.B3 USB7.B10 USB7.B11

## Polygon pours and split planes (outlines as drawn)
GND on Inner2 (solid, remove dead copper): 3087.11,5098.92 6291.9,5098.92 6291.9,3148.86 3087.11,3148.86
VIN_USB on Bottom Layer (solid, remove dead copper, pour order 0): 5965.3,3526.87 6291.9,3526.87 6291.9,3349.14 5965.3,3349.14
GND on Inner1 (solid, remove dead copper): 3090.76,5100.32 6293.01,5100.32 6293.01,3168.32 3090.76,3168.32
$1N8697 on Bottom Layer (solid, remove dead copper, pour order 2): 5476.9,3601.71 5556.9,3601.71 5556.9,3391.71 5476.9,3391.71
GND on Inner2 (solid, remove dead copper): 3155.8,5095.32 6298.01,5095.32 6298.01,3168.11 3155.8,3168.11
VIN_LM3150 on Bottom Layer (solid, remove dead copper, pour order 4): 4711.9,3606.71 4791.9,3606.71 4791.9,3396.71 4711.9,3396.71
$1N3658 on Bottom Layer (solid, remove dead copper, pour order 6): 3986.9,4276.71 4126.9,4276.71 4126.9,4136.71 3986.9,4136.71
$1N3658 on Bottom Layer (solid, remove dead copper, pour order 8): 3731.48,3660.9 3811.2,3660.9 3811.2,3556.71 3731.48,3556.71
SW on Bottom Layer (solid, remove dead copper, pour order 10): 4401.9,4276.71 4536.9,4276.71 4536.9,4136.71 4401.9,4136.71
VIN_LM3150 on Bottom Layer (solid, remove dead copper, pour order 12): 3396.9,4431.71 3481.03,4431.71 3481.03,4349.37 3396.9,4349.37
SW on Bottom Layer (solid, remove dead copper, pour order 14): 3496.9,4431.71 3581.9,4431.71 3581.9,4346.71 3496.9,4346.71

## Keep-outs
Top Layer:
  circle w10: c5433.16,3169.78 r118.11
  circle w10: c5433.16,5098.92 r118.11
  circle w10: c3149.7,5098.92 r118.11
  circle w10: c3149.7,3169.78 r96.93
  region: 3118.2,5236.71 6252.06,5236.71 cw(c6252.06,5130.41) 6358.36,5130.41 6358.36,3138.29 cw(c6252.06,3138.29) 6252.06,3031.99 3118.2,3031.99 cw(c3118.2,3138.29) 3011.9,3138.29 3011.9,5130.41 cw(c3118.2,5130.41)
Board Outline Layer:
  lines w10: 3011.9,3110.73 ccw(c3090.65,3110.73) 3090.65,3031.99 6279.62,3031.99 ccw(c6279.62,3110.73) 6358.36,3110.73 6358.36,5157.97 ccw(c6279.62,5157.97) 6279.62,5236.71 3090.65,5236.71 ccw(c3090.65,5157.97) 3011.9,5157.97 3011.9,3110.73

## Silkscreen, mask and mechanical layers (free items; w line width, h text height)
Top Silkscreen Layer:
  lines w10: 3000,4843.06 5940.56,4843.06 6061.9,4721.71 6061.9,4546.71 ; 3011.9,4264.79 3294.34,4264.79 3294.34,4484.15 3391.9,4581.71 4371.9,4571.71 ; 4506.8,4843.06 4371.9,4708.16 4371.9,4571.71 ; 4817.06,3031.99 4817.06,3291.87 4876.9,3351.71 4966.9,3351.71 5011.9,3306.71 5086.9,3306.71 5126.9,3346.71 5126.9,3601.71 5071.9,3656.71 5071.9,3731.71 5018.87,3784.75 5018.87,3984.03 5101.9,4067.07 5101.9,4251.71 ; 5106.9,4256.71 5101.9,4251.71 ; 6357.96,3971.78 5951.9,3971.78 5951.9,4436.71 6061.9,4546.71 ; 4371.9,4571.71 4421.9,4571.71 4721.9,4271.71 4721.9,4251.71 5101.9,4251.71 ; 5101.9,4251.71 5586.9,4251.71 5639.91,4304.72 5639.91,4580.44 5646.18,4586.71 5841.9,4586.71 5881.9,4546.71 6061.9,4546.71
  text "Button 2" at 6036.9,5001.71 h39.37
  text "Button 1" at 5651.9,4991.71 h39.37
  text "Scanning Error" at 3170.97,4832.04 h39.37 r270
  text "Battery Low" at 3381.22,4788.44 h39.37 r270
  text "IMU Control" at 6096.9,4756.71 h39.37 r90
  text "Sandmaze HAT" at 4551.9,4571.71 h196.85
  text "SCL" at 6356.9,4551.71 h19.68 r90
  text "VCC" at 6250.8,4545.36 h19.68 r90
  text "Scanning" at 3176.9,4531.71 h39.37 r270
  text "GND" at 6249.71,4469.67 h19.68 r90
  text "SDA" at 6356.9,4461.71 h19.68 r90
  text "Pi Power" at 3036.9,3306.71 h39.37
  text "PD Input" at 6146.9,3166.71 h39.37